# EAGLE board Mk4 Final a Panel score 2x5 (EAGLE 9.0.1), part 21 of 29
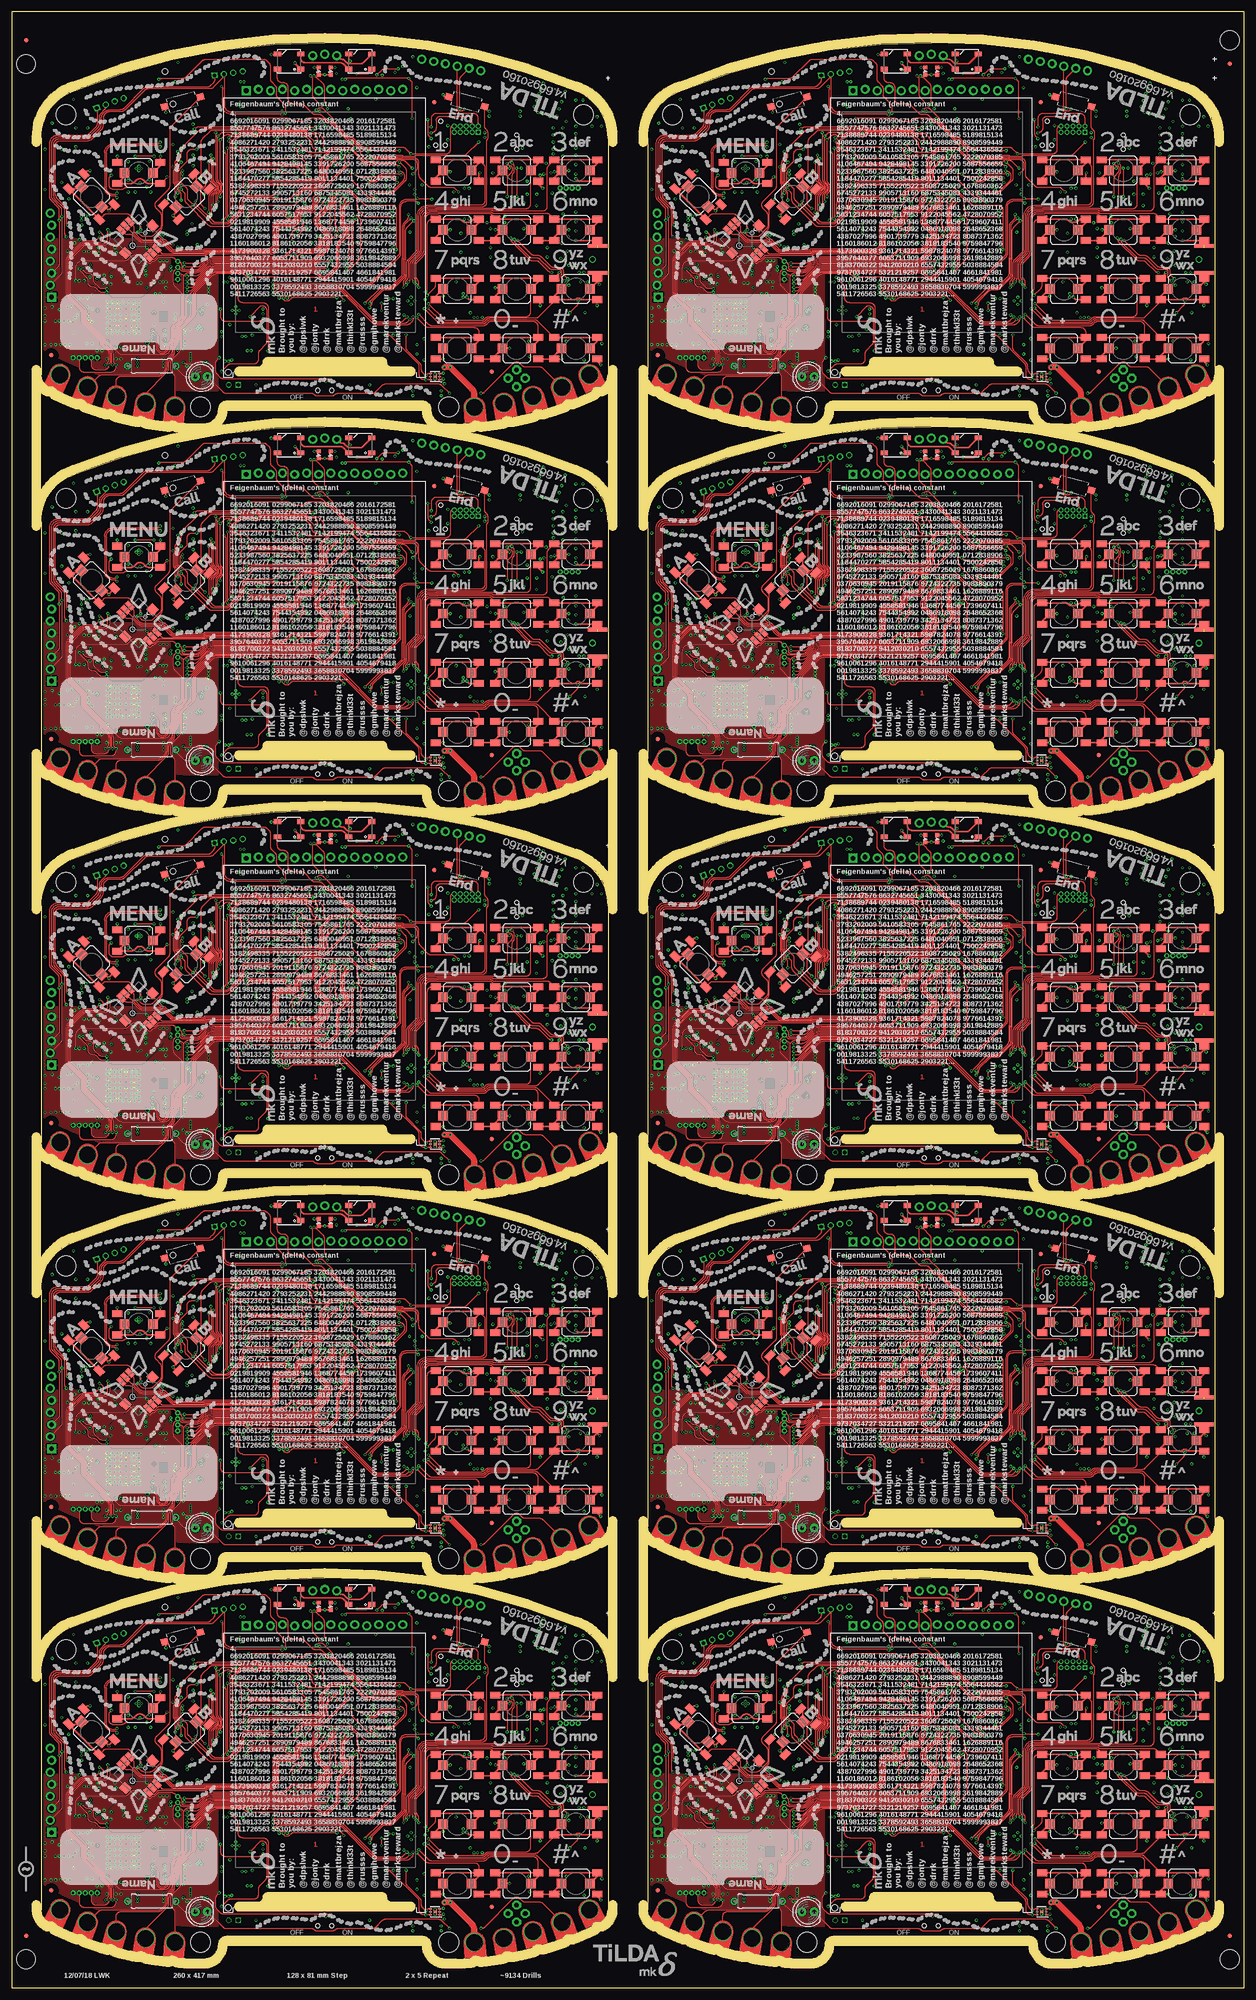
[diagram p0: board, top side]
## Tracks (layer width: path | path; a pad name or v marks a point on that pad's centre or on a via) (continued)
SDRAM_A64  (via drill 0.3) (continued)
  Top 0.15: v35,225.5 35,224.41 arc-45 34.71,223.71 arc45 34.5,223.21 34.5,222.49 34.52,222.47 34.52,222.1 arc-45 34.48,221.98 34.48,221.97 34.35,221.84 arc45 34.2,221.49 34.2,218.91 arc45 34.27,218.73 34.4,218.6 arc-45 34.48,218.42 34.48,216.53 34.5,216.51 v34.5,216 | v47.25,216.75 48.68,218.18 arc45 48.98,218.89 48.98,219.71 arc-45 49.27,220.42 50.46,221.61 arc-45 51.16,221.9 55.94,221.9 arc-45 56.64,221.61 56.96,221.29 arc45 57.66,221 v59.75,221
  Bottom 0.15: IC73.47 v35,225.5 | v34.5,216 36.42,216 arc-45 36.56,215.94 36.6,215.9 IC73.35 42.49,215.9 arc45 43.19,216.19 43.46,216.46 arc-45 44.16,216.75 v47.25,216.75 | IC74.49 59.27,221.2 arc-45 v59.75,221
SDRAM_A65  (via drill 0.3)
  Top 0.15: v171,229.5 v171,229.49 170.97,229.47 170.97,224.27 171.03,224.22 171.03,219.7 arc45 171.32,218.99 171.73,218.58 arc-90 171.73,217.17 171.27,216.71 arc45 170.97,216 170.97,214.52 171.03,214.47 171.03,214.03 171,214.01 v171,213.5 | v186.3,213.5 185.99,213.19 arc-45 185.29,212.9 178.51,212.9 arc-45 177.81,213.19 v177.5,213.5
  Bottom 0.15: IC91.2 172.21,230.3 arc45 171.51,230.01 v171,229.5 | IC92.29 189,214.03 arc90 188.5,214.53 188.12,214.53 | v177.5,213.5 IC91.23 v171,213.5 | 188.12,214.53 | 188.12,214.53 187.68,214.53 arc45 187.08,214.28 v186.3,213.5
SDRAM_A66  (via drill 0.3)
  Top 0.15: v186.3,212.75 arc-45 185.94,212.6 177.86,212.6 arc-45 v177.5,212.75 | v173.75,228.5 174.11,228.14 arc-45 174.4,227.44 174.4,226.13 arc45 174.44,226.03 arc-45 174.5,225.89 v174.5,212.75
  Bottom 0.15: v173.75,228.5 arc-45 174.23,228.7 IC91.4 | IC92.30 188.6,213.97 arc90 188.35,214.22 187.68,214.22 arc45 187.33,214.08 187.21,213.96 arc45 187,213.45 arc-90 v186.3,212.75 | v177.5,212.75 177.07,212.75 arc45 176.95,212.7 IC91.24 175.8,212.7 175.75,212.75 v174.5,212.75
SDRAM_A67  (via drill 0.3)
  Top 0.15: v173.7,227.75 173.73,227.72 arc-45 174.03,227.01 174.03,214.4 173.97,214.35 173.97,212.03 v174,212 | v186.3,212 v186.29,212.01 arc45 185.59,212.3 178.21,212.3 arc45 v177.51,212.01 v177.5,212
  Bottom 0.15: v173.7,227.75 arc-45 174.06,227.9 IC91.5 | v177.5,212 177.08,212 arc45 176.94,211.94 176.9,211.9 IC91.25 175.85,211.9 175.81,211.94 arc45 175.67,212 v174,212 | IC92.31 188.2,211.85 arc-90 187.7,211.35 186.8,211.35 arc-90 186.3,211.85 v186.3,212 v186.3,211.99
SDRAM_A68  (via drill 0.3)
  Top 0.15: v173.5,226.25 173.47,226.22 173.47,211.28 v173.5,211.25 | v177.5,211.25 177.96,211.71 arc-45 178.66,212 185.14,212 arc-45 185.84,211.71 186.02,211.53 arc90 186.73,211.53 v187.2,212
  Bottom 0.15: v177.5,211.25 177,211.25 176.85,211.1 IC91.26 175.9,211.1 175.81,211.19 arc45 175.67,211.25 v173.5,211.25 | v187.2,212 187.3,212 arc90 187.8,212.5 IC92.32 | v173.5,226.25 173.52,226.25 173.57,226.2 174.61,226.2 arc-45 174.75,226.14 174.78,226.11 arc90 175.83,226.11 176.02,226.3 IC91.7
SDRAM_A69  (via drill 0.3)
  Top 0.15: v177.5,225.5 178.58,224.42 arc45 179.29,224.12 188.71,224.12 arc-45 189.42,223.83 v190.25,223 | v172.75,225.5 172.95,225.3 arc-45 173.1,224.94 173.1,211.76 arc-45 172.95,211.4 v172.55,211
  Bottom 0.15: IC92.22 191.8,221.04 arc45 191.51,221.74 v190.25,223 | v172.75,225.5 IC91.8 v177.5,225.5 | IC91.29 165.59,211.1 arc-45 165.69,211.06 arc45 165.83,211 v172.55,211
SDRAM_A70  (via drill 0.3)
  Top 0.15: v170,224.75 169.97,224.72 169.97,223.58 arc45 170.02,223.48 arc-45 170.07,223.34 170.07,219.8 arc45 170.37,219.09 171.24,218.23 arc-90 171.24,217.52 170.27,216.55 arc45 169.97,215.85 169.97,213.4 170.03,213.35 170.03,212.03 v170,212 | v190.25,222 189.54,222.71 arc45 188.84,223 185.67,223 arc-45 185.53,223.06 185.53,223.07 arc45 185.38,223.12 178.79,223.12 arc-45 178.08,223.42 v177.5,224
  Bottom 0.15: v190.25,222 191.11,221.14 arc-45 191.4,220.44 IC92.23 | v170,224.75 170.09,224.75 arc-45 170.79,224.46 170.96,224.29 arc45 171.66,224 175.42,224 arc-45 175.56,223.94 arc45 175.66,223.9 IC91.10 176.82,223.9 arc45 176.96,223.96 arc-45 177.06,224 v177.5,224 | IC91.30 165.59,211.9 arc45 165.69,211.94 arc-45 165.83,212 v170,212
SDRAM_A71  (via drill 0.3)
  Top 0.15: v169.5,223.25 169.5,221.74 169.53,221.72 169.53,219.93 arc45 169.82,219.22 170.99,218.05 arc-90 170.99,217.7 169.79,216.5 arc45 169.5,215.8 v169.5,212.75 | v190.25,221.25 189.09,222.41 arc45 188.39,222.7 185.55,222.7 arc-45 185.41,222.76 185.4,222.77 arc45 185.26,222.82 178.34,222.82 arc-45 177.63,223.12 v177.5,223.25
  Bottom 0.15: v190.25,221.25 190.71,220.79 arc-45 191,220.09 IC92.24 | v169.5,223.25 175.42,223.25 arc-45 175.56,223.19 175.59,223.16 arc45 175.73,223.1 IC91.11 176.77,223.1 arc45 176.91,223.16 176.94,223.19 arc-45 177.08,223.25 v177.5,223.25 | IC91.31 165.7,212.7 arc-45 165.82,212.75 v169.5,212.75
SDRAM_A72  (via drill 0.3)
  Top 0.15: v190.3,220.3 188.49,222.11 arc45 187.79,222.4 185.43,222.4 arc-45 185.28,222.46 185.28,222.47 arc45 185.13,222.53 178.94,222.53 arc45 178.23,222.23 v177.5,221.5 | v169,221.5 169,218.83 arc-45 168.71,218.12 168.14,217.56 arc45 167.85,216.85 167.85,214.81 arc45 168.14,214.11 v168.75,213.5
  Bottom 0.15: v177.5,221.5 IC91.13 v169,221.5 | IC91.32 v168.75,213.5 | IC92.25 190.6,215.26 190.62,215.28 190.62,219.56 arc45 190.33,220.27 v190.3,220.3
SDRAM_A73  (via drill 0.3)
  Top 0.15: v183.75,216.1 v183.74,216.09 arc-45 183.04,215.8 177.75,215.8 arc90 176.5,214.55 176.5,213.5 arc-45 176.21,212.79 173.88,210.47 arc-45 173.18,210.18 170.74,210.18 arc-45 170.03,210.47 v166.25,214.25 165.29,215.21 arc-45 165,215.91 165,217.33 arc45 164.71,218.03 163.47,219.27 arc-45 163.4,219.45 163.4,220.69 arc-45 163.55,221.05 v164,221.5
  Bottom 0.15: IC91.42 v164,221.5 | IC91.33 165.7,214.3 arc45 165.82,214.25 v166.25,214.25 | IC92.40 185.66,217.6 arc45 184.96,217.31 v183.75,216.1
SDRAM_A74  (via drill 0.3)
  Top 0.15: v163.75,215.25 163.75,216.34 arc45 163.46,217.05 163.38,217.12 arc-45 163.16,217.65 163.16,218.58 arc45 163.09,218.76 162.87,218.98 arc-45 162.8,219.16 162.8,221.24 arc-45 162.95,221.59 163.02,221.67 arc45 163.16,222.02 163.16,222.25 arc-45 163.46,222.96 v163.75,223.25 | v184.65,217.75 183.32,216.42 arc-45 182.61,216.12 177.5,216.12 arc90 176,214.62 176,213.42 arc-45 175.71,212.72 173.76,210.77 arc-45 173.05,210.47 171.2,210.47 arc-45 170.49,210.77 167.04,214.22 arc-45 166.75,214.92 v166.75,215
  Bottom 0.15: IC91.44 164.65,223.1 164.65,223.1 arc45 164.29,223.25 v163.75,223.25 | v163.75,215.25 164.29,215.25 arc-45 164.65,215.1 IC91.34 166.51,215.1 arc-45 v166.75,215 | IC92.41 185.25,218 arc45 v184.65,217.75
SDRAM_A75  (via drill 0.3)
  Top 0.15: v177.5,214.25 177.57,214.18 187.35,214.18 arc45 188.06,214.47 188.9,215.31 arc45 189.05,215.66 v189.05,215.8 | v170.5,214.25 170.5,215.95 arc-45 170.79,216.65 171.48,217.34 arc90 171.48,218.4 170.79,219.09 arc-45 170.5,219.8 v170.5,224
  Bottom 0.15: IC91.45 165.82,223.9 arc45 165.96,223.96 arc-45 166.06,224 v170.5,224 | v177.5,214.25 177,214.25 176.95,214.3 IC91.22 175.8,214.3 arc-45 175.68,214.25 v170.5,214.25 | IC92.50 187.54,221.6 arc-45 188.24,221.31 188.76,220.79 arc-45 189.05,220.09 v189.05,215.8
SDRAM_A76  (via drill 0.3)
  Top 0.15: v163,216.75 163,217.08 162.86,217.22 162.86,218.46 arc45 162.79,218.64 162.57,218.85 arc-45 162.5,219.03 162.5,221.37 arc-45 162.65,221.72 162.72,221.79 arc45 162.86,222.14 162.86,222.95 arc-45 163.16,223.66 163.46,223.96 arc45 163.75,224.66 v163.75,226.25 167.53,230.03 arc-45 168.24,230.32 178.73,230.32 178.79,230.38 arc-90 180.21,230.38 180.42,230.18 190.97,230.18 arc-45 v191.47,229.97
  Bottom 0.15: IC91.48 164.55,226.3 164.5,226.25 v163.75,226.25 | IC91.36 164.55,216.7 164.5,216.75 v163,216.75 | v191.47,229.97 191.8,229.64 IC92.75
SDRAM_A77  (via drill 0.3)
  Top 0.15: v163,225.5 163,224.41 arc-45 162.71,223.71 arc45 162.5,223.21 162.5,222.49 162.53,222.47 162.53,222.1 arc-45 162.47,221.98 162.47,221.97 162.35,221.84 arc45 162.2,221.49 162.2,218.91 arc45 162.27,218.73 162.4,218.6 arc-45 162.47,218.42 162.47,216.53 162.5,216.51 v162.5,216 | v175.25,216.75 176.68,218.18 arc45 176.97,218.89 176.97,219.71 arc-45 177.27,220.42 178.46,221.61 arc-45 179.16,221.9 183.94,221.9 arc-45 184.64,221.61 184.96,221.29 arc45 185.66,221 v187.75,221
  Bottom 0.15: IC91.47 v163,225.5 | v162.5,216 164.42,216 arc-45 164.56,215.94 164.6,215.9 IC91.35 170.49,215.9 arc45 171.19,216.19 171.46,216.46 arc-45 172.16,216.75 v175.25,216.75 | IC92.49 187.27,221.2 arc-45 v187.75,221
SDRAM_A78  (via drill 0.3)
  Top 0.15: v43,310.5 v43,310.49 42.98,310.47 42.98,305.27 43.02,305.22 43.02,300.7 arc45 43.32,299.99 43.73,299.58 arc-90 43.73,298.17 43.27,297.7 arc45 42.98,297 42.98,295.52 43.02,295.47 43.02,295.03 43,295.01 v43,294.5 | v58.3,294.5 57.99,294.19 arc-45 57.29,293.9 50.51,293.9 arc-45 49.81,294.19 v49.5,294.5
  Bottom 0.15: IC109.2 44.21,311.3 arc45 43.51,311.01 v43,310.5 | IC110.29 61,295.02 arc90 60.5,295.52 60.12,295.52 | v49.5,294.5 IC109.23 v43,294.5 | 60.12,295.52 | 60.12,295.52 59.68,295.52 arc45 59.08,295.28 v58.3,294.5
SDRAM_A79  (via drill 0.3)
  Top 0.15: v58.3,293.75 arc-45 57.94,293.6 49.86,293.6 arc-45 v49.5,293.75 | v45.75,309.5 46.11,309.14 arc-45 46.4,308.44 46.4,307.13 arc45 46.44,307.03 arc-45 46.5,306.89 v46.5,293.75
  Bottom 0.15: v45.75,309.5 arc-45 46.23,309.7 IC109.4 | IC110.30 60.6,294.98 arc90 60.35,295.23 59.68,295.23 arc45 59.33,295.08 59.21,294.96 arc45 59,294.45 arc-90 v58.3,293.75 | v49.5,293.75 49.07,293.75 arc45 48.95,293.7 IC109.24 47.8,293.7 47.75,293.75 v46.5,293.75
SDRAM_A80  (via drill 0.3)
  Top 0.15: v45.7,308.75 45.73,308.72 arc-45 46.02,308.01 46.02,295.4 45.98,295.35 45.98,293.02 v46,293 | v58.3,293 v58.29,293.01 arc45 57.59,293.3 50.21,293.3 arc45 v49.51,293.01 v49.5,293
  Bottom 0.15: v45.7,308.75 arc-45 46.06,308.9 IC109.5 | v49.5,293 49.08,293 arc45 48.94,292.94 48.9,292.9 IC109.25 47.85,292.9 47.81,292.94 arc45 47.67,293 v46,293 | IC110.31 60.2,292.85 arc-90 59.7,292.35 58.8,292.35 arc-90 58.3,292.85 v58.3,293 v58.3,292.99
SDRAM_A81  (via drill 0.3)
  Top 0.15: v45.5,307.25 45.48,307.23 45.48,292.27 v45.5,292.25 | v49.5,292.25 49.96,292.71 arc-45 50.66,293 57.14,293 arc-45 57.84,292.71 58.02,292.53 arc90 58.73,292.53 v59.2,293
  Bottom 0.15: v49.5,292.25 49,292.25 48.85,292.1 IC109.26 47.9,292.1 47.81,292.19 arc45 47.67,292.25 v45.5,292.25 | v59.2,293 59.3,293 arc90 59.8,293.5 IC110.32 | v45.5,307.25 45.52,307.25 45.57,307.2 46.61,307.2 arc-45 46.75,307.14 46.77,307.11 arc90 47.84,307.11 48.02,307.3 IC109.7
SDRAM_A82  (via drill 0.3)
  Top 0.15: v49.5,306.5 50.58,305.42 arc45 51.29,305.12 60.71,305.12 arc-45 61.42,304.83 v62.25,304 | v44.75,306.5 44.95,306.3 arc-45 45.1,305.94 45.1,292.76 arc-45 44.95,292.4 v44.55,292
  Bottom 0.15: IC110.22 63.8,302.04 arc45 63.51,302.74 v62.25,304 | v44.75,306.5 IC109.8 v49.5,306.5 | IC109.29 37.59,292.1 arc-45 37.69,292.06 arc45 37.83,292 v44.55,292
SDRAM_A83  (via drill 0.3)
  Top 0.15: v42,305.75 41.98,305.73 41.98,304.58 arc45 42.02,304.48 arc-45 42.08,304.33 42.08,300.8 arc45 42.37,300.09 43.23,299.23 arc-90 43.23,298.52 42.27,297.55 arc45 41.98,296.85 41.98,294.4 42.02,294.35 42.02,293.02 v42,293 | v62.25,303 61.54,303.71 arc45 60.84,304 57.67,304 arc-45 57.53,304.06 57.52,304.07 arc45 57.38,304.12 50.79,304.12 arc-45 50.08,304.42 v49.5,305
  Bottom 0.15: v62.25,303 63.11,302.14 arc-45 63.4,301.44 IC110.23 | v42,305.75 42.09,305.75 arc-45 42.79,305.46 42.96,305.29 arc45 43.66,305 47.42,305 arc-45 47.56,304.94 arc45 47.66,304.9 IC109.10 48.82,304.9 arc45 48.96,304.96 arc-45 49.06,305 v49.5,305 | IC109.30 37.59,292.9 arc45 37.69,292.94 arc-45 37.83,293 v42,293
SDRAM_A84  (via drill 0.3)
  Top 0.15: v41.5,304.25 41.5,302.74 41.52,302.72 41.52,300.93 arc45 41.82,300.22 42.99,299.05 arc-90 42.99,298.7 41.79,297.5 arc45 41.5,296.8 v41.5,293.75 | v62.25,302.25 61.09,303.41 arc45 60.39,303.7 57.55,303.7 arc-45 57.41,303.76 57.4,303.77 arc45 57.26,303.82 50.34,303.82 arc-45 49.63,304.12 v49.5,304.25
  Bottom 0.15: v62.25,302.25 62.71,301.79 arc-45 63,301.09 IC110.24 | v41.5,304.25 47.42,304.25 arc-45 47.56,304.19 47.59,304.16 arc45 47.73,304.1 IC109.11 48.77,304.1 arc45 48.91,304.16 48.94,304.19 arc-45 49.08,304.25 v49.5,304.25 | IC109.31 37.7,293.7 arc-45 37.82,293.75 v41.5,293.75
SDRAM_A85  (via drill 0.3)
  Top 0.15: v62.3,301.3 60.49,303.11 arc45 59.79,303.4 57.42,303.4 arc-45 57.28,303.46 57.28,303.47 arc45 57.13,303.52 50.94,303.52 arc45 50.23,303.23 v49.5,302.5 | v41,302.5 41,299.83 arc-45 40.71,299.12 40.14,298.56 arc45 39.85,297.85 39.85,295.81 arc45 40.14,295.11 v40.75,294.5
  Bottom 0.15: v49.5,302.5 IC109.13 v41,302.5 | IC109.32 v40.75,294.5 | IC110.25 62.6,296.26 62.62,296.28 62.62,300.56 arc45 62.33,301.27 v62.3,301.3
SDRAM_A86  (via drill 0.3)
  Top 0.15: v55.75,297.1 v55.74,297.09 arc-45 55.04,296.8 49.75,296.8 arc90 48.5,295.55 48.5,294.5 arc-45 48.21,293.79 45.89,291.47 arc-45 45.18,291.18 42.74,291.18 arc-45 42.03,291.47 v38.25,295.25 37.29,296.21 arc-45 37,296.91 37,298.33 arc45 36.71,299.04 35.47,300.27 arc-45 35.4,300.45 35.4,301.69 arc-45 35.55,302.05 v36,302.5
  Bottom 0.15: IC109.42 v36,302.5 | IC109.33 37.7,295.3 arc45 37.82,295.25 v38.25,295.25 | IC110.40 57.66,298.6 arc45 56.96,298.31 v55.75,297.1
SDRAM_A87  (via drill 0.3)
  Top 0.15: v35.75,296.25 35.75,297.34 arc45 35.46,298.05 35.38,298.12 arc-45 35.16,298.65 35.16,299.58 arc45 35.09,299.76 34.87,299.98 arc-45 34.8,300.15 34.8,302.24 arc-45 34.95,302.6 35.02,302.67 arc45 35.16,303.02 35.16,303.25 arc-45 35.46,303.96 v35.75,304.25 | v56.65,298.75 55.32,297.42 arc-45 54.61,297.12 49.5,297.12 arc90 48,295.62 48,294.42 arc-45 47.71,293.71 45.76,291.77 arc-45 45.05,291.48 43.2,291.48 arc-45 42.49,291.77 39.04,295.21 arc-45 38.75,295.92 v38.75,296
  Bottom 0.15: IC109.44 36.65,304.1 36.65,304.1 arc45 36.29,304.25 v35.75,304.25 | v35.75,296.25 36.29,296.25 arc-45 36.65,296.1 IC109.34 38.51,296.1 arc-45 v38.75,296 | IC110.41 57.25,299 arc45 v56.65,298.75
SDRAM_A88  (via drill 0.3)
  Top 0.15: v49.5,295.25 49.58,295.18 59.35,295.18 arc45 60.06,295.47 60.9,296.31 arc45 61.05,296.67 v61.05,296.8 | v42.5,295.25 42.5,296.95 arc-45 42.79,297.65 43.48,298.34 arc90 43.48,299.4 42.79,300.09 arc-45 42.5,300.8 v42.5,305
  Bottom 0.15: IC109.45 37.82,304.9 arc45 37.96,304.96 arc-45 38.06,305 v42.5,305 | v49.5,295.25 49,295.25 48.95,295.3 IC109.22 47.8,295.3 arc-45 47.68,295.25 v42.5,295.25 | IC110.50 59.54,302.6 arc-45 60.24,302.31 60.76,301.79 arc-45 61.05,301.09 v61.05,296.8
SDRAM_A89  (via drill 0.3)
  Top 0.15: v35,297.75 35,298.08 34.86,298.22 34.86,299.46 arc45 34.79,299.64 34.57,299.85 arc-45 34.5,300.03 34.5,302.37 arc-45 34.65,302.72 34.72,302.79 arc45 34.86,303.14 34.86,303.95 arc-45 35.16,304.66 35.46,304.96 arc45 35.75,305.66 v35.75,307.25 39.53,311.03 arc-45 40.24,311.32 50.73,311.32 50.79,311.38 arc-90 52.21,311.38 52.42,311.18 62.97,311.18 arc-45 v63.47,310.97
  Bottom 0.15: IC109.48 36.55,307.3 36.5,307.25 v35.75,307.25 | IC109.36 36.55,297.7 36.5,297.75 v35,297.75 | v63.47,310.97 63.8,310.64 IC110.75
SDRAM_A90  (via drill 0.3)
  Top 0.15: v35,306.5 35,305.41 arc-45 34.71,304.71 arc45 34.5,304.21 34.5,303.49 34.52,303.47 34.52,303.1 arc-45 34.48,302.98 34.48,302.97 34.35,302.84 arc45 34.2,302.49 34.2,299.91 arc45 34.27,299.73 34.4,299.6 arc-45 34.48,299.42 34.48,297.53 34.5,297.51 v34.5,297 | v47.25,297.75 48.68,299.18 arc45 48.98,299.89 48.98,300.71 arc-45 49.27,301.42 50.46,302.61 arc-45 51.16,302.9 55.94,302.9 arc-45 56.64,302.61 56.96,302.29 arc45 57.66,302 v59.75,302
  Bottom 0.15: IC109.47 v35,306.5 | v34.5,297 36.42,297 arc-45 36.56,296.94 36.6,296.9 IC109.35 42.49,296.9 arc45 43.19,297.19 43.46,297.46 arc-45 44.16,297.75 v47.25,297.75 | IC110.49 59.27,302.2 arc-45 v59.75,302
SDRAM_A91  (via drill 0.3)
  Top 0.15: v171,310.5 v171,310.49 170.97,310.47 170.97,305.27 171.03,305.22 171.03,300.7 arc45 171.32,299.99 171.73,299.58 arc-90 171.73,298.17 171.27,297.7 arc45 170.97,297 170.97,295.52 171.03,295.47 171.03,295.03 171,295.01 v171,294.5 | v186.3,294.5 185.99,294.19 arc-45 185.29,293.9 178.51,293.9 arc-45 177.81,294.19 v177.5,294.5
  Bottom 0.15: IC127.2 172.21,311.3 arc45 171.51,311.01 v171,310.5 | IC128.29 189,295.02 arc90 188.5,295.52 188.12,295.52 | v177.5,294.5 IC127.23 v171,294.5 | 188.12,295.52 | 188.12,295.52 187.68,295.52 arc45 187.08,295.28 v186.3,294.5
SDRAM_A92  (via drill 0.3)
  Top 0.15: v186.3,293.75 arc-45 185.94,293.6 177.86,293.6 arc-45 v177.5,293.75 | v173.75,309.5 174.11,309.14 arc-45 174.4,308.44 174.4,307.13 arc45 174.44,307.03 arc-45 174.5,306.89 v174.5,293.75
  Bottom 0.15: v173.75,309.5 arc-45 174.23,309.7 IC127.4 | IC128.30 188.6,294.98 arc90 188.35,295.23 187.68,295.23 arc45 187.33,295.08 187.21,294.96 arc45 187,294.45 arc-90 v186.3,293.75 | v177.5,293.75 177.07,293.75 arc45 176.95,293.7 IC127.24 175.8,293.7 175.75,293.75 v174.5,293.75
SDRAM_A93  (via drill 0.3)
  Top 0.15: v173.7,308.75 173.73,308.72 arc-45 174.03,308.01 174.03,295.4 173.97,295.35 173.97,293.02 v174,293 | v186.3,293 v186.29,293.01 arc45 185.59,293.3 178.21,293.3 arc45 v177.51,293.01 v177.5,293
  Bottom 0.15: v173.7,308.75 arc-45 174.06,308.9 IC127.5 | v177.5,293 177.08,293 arc45 176.94,292.94 176.9,292.9 IC127.25 175.85,292.9 175.81,292.94 arc45 175.67,293 v174,293 | IC128.31 188.2,292.85 arc-90 187.7,292.35 186.8,292.35 arc-90 186.3,292.85 v186.3,293 v186.3,292.99
SDRAM_A94  (via drill 0.3)
  Top 0.15: v173.5,307.25 173.47,307.23 173.47,292.27 v173.5,292.25 | v177.5,292.25 177.96,292.71 arc-45 178.66,293 185.14,293 arc-45 185.84,292.71 186.02,292.53 arc90 186.73,292.53 v187.2,293
  Bottom 0.15: v177.5,292.25 177,292.25 176.85,292.1 IC127.26 175.9,292.1 175.81,292.19 arc45 175.67,292.25 v173.5,292.25 | v187.2,293 187.3,293 arc90 187.8,293.5 IC128.32 | v173.5,307.25 173.52,307.25 173.57,307.2 174.61,307.2 arc-45 174.75,307.14 174.78,307.11 arc90 175.83,307.11 176.02,307.3 IC127.7
SDRAM_A95  (via drill 0.3)
  Top 0.15: v177.5,306.5 178.58,305.42 arc45 179.29,305.12 188.71,305.12 arc-45 189.42,304.83 v190.25,304 | v172.75,306.5 172.95,306.3 arc-45 173.1,305.94 173.1,292.76 arc-45 172.95,292.4 v172.55,292
  Bottom 0.15: IC128.22 191.8,302.04 arc45 191.51,302.74 v190.25,304 | v172.75,306.5 IC127.8 v177.5,306.5 | IC127.29 165.59,292.1 arc-45 165.69,292.06 arc45 165.83,292 v172.55,292
SDRAM_A96  (via drill 0.3)
  Top 0.15: v170,305.75 169.97,305.73 169.97,304.58 arc45 170.02,304.48 arc-45 170.07,304.33 170.07,300.8 arc45 170.37,300.09 171.24,299.23 arc-90 171.24,298.52 170.27,297.55 arc45 169.97,296.85 169.97,294.4 170.03,294.35 170.03,293.02 v170,293 | v190.25,303 189.54,303.71 arc45 188.84,304 185.67,304 arc-45 185.53,304.06 185.53,304.07 arc45 185.38,304.12 178.79,304.12 arc-45 178.08,304.42 v177.5,305
  Bottom 0.15: v190.25,303 191.11,302.14 arc-45 191.4,301.44 IC128.23 | v170,305.75 170.09,305.75 arc-45 170.79,305.46 170.96,305.29 arc45 171.66,305 175.42,305 arc-45 175.56,304.94 arc45 175.66,304.9 IC127.10 176.82,304.9 arc45 176.96,304.96 arc-45 177.06,305 v177.5,305 | IC127.30 165.59,292.9 arc45 165.69,292.94 arc-45 165.83,293 v170,293
SDRAM_A97  (via drill 0.3)
  Top 0.15: v169.5,304.25 169.5,302.74 169.53,302.72 169.53,300.93 arc45 169.82,300.22 170.99,299.05 arc-90 170.99,298.7 169.79,297.5 arc45 169.5,296.8 v169.5,293.75 | v190.25,302.25 189.09,303.41 arc45 188.39,303.7 185.55,303.7 arc-45 185.41,303.76 185.4,303.77 arc45 185.26,303.82 178.34,303.82 arc-45 177.63,304.12 v177.5,304.25
  Bottom 0.15: v190.25,302.25 190.71,301.79 arc-45 191,301.09 IC128.24 | v169.5,304.25 175.42,304.25 arc-45 175.56,304.19 175.59,304.16 arc45 175.73,304.1 IC127.11 176.77,304.1 arc45 176.91,304.16 176.94,304.19 arc-45 177.08,304.25 v177.5,304.25 | IC127.31 165.7,293.7 arc-45 165.82,293.75 v169.5,293.75
SDRAM_A98  (via drill 0.3)
  Top 0.15: v190.3,301.3 188.49,303.11 arc45 187.79,303.4 185.43,303.4 arc-45 185.28,303.46 185.28,303.47 arc45 185.13,303.52 178.94,303.52 arc45 178.23,303.23 v177.5,302.5 | v169,302.5 169,299.83 arc-45 168.71,299.12 168.14,298.56 arc45 167.85,297.85 167.85,295.81 arc45 168.14,295.11 v168.75,294.5
  Bottom 0.15: v177.5,302.5 IC127.13 v169,302.5 | IC127.32 v168.75,294.5 | IC128.25 190.6,296.26 190.62,296.28 190.62,300.56 arc45 190.33,301.27 v190.3,301.3
SDRAM_A99  (via drill 0.3)
  Top 0.15: v183.75,297.1 v183.74,297.09 arc-45 183.04,296.8 177.75,296.8 arc90 176.5,295.55 176.5,294.5 arc-45 176.21,293.79 173.88,291.47 arc-45 173.18,291.18 170.74,291.18 arc-45 170.03,291.47 v166.25,295.25 165.29,296.21 arc-45 165,296.91 165,298.33 arc45 164.71,299.04 163.47,300.27 arc-45 163.4,300.45 163.4,301.69 arc-45 163.55,302.05 v164,302.5
  Bottom 0.15: IC127.42 v164,302.5 | IC127.33 165.7,295.3 arc45 165.82,295.25 v166.25,295.25 | IC128.40 185.66,298.6 arc45 184.96,298.31 v183.75,297.1
SDRAM_A100  (via drill 0.3)
  Top 0.15: v163.75,296.25 163.75,297.34 arc45 163.46,298.05 163.38,298.12 arc-45 163.16,298.65 163.16,299.58 arc45 163.09,299.76 162.87,299.98 arc-45 162.8,300.15 162.8,302.24 arc-45 162.95,302.6 163.02,302.67 arc45 163.16,303.02 163.16,303.25 arc-45 163.46,303.96 v163.75,304.25 | v184.65,298.75 183.32,297.42 arc-45 182.61,297.12 177.5,297.12 arc90 176,295.62 176,294.42 arc-45 175.71,293.71 173.76,291.77 arc-45 173.05,291.48 171.2,291.48 arc-45 170.49,291.77 167.04,295.21 arc-45 166.75,295.92 v166.75,296
  Bottom 0.15: IC127.44 164.65,304.1 164.65,304.1 arc45 164.29,304.25 v163.75,304.25 | v163.75,296.25 164.29,296.25 arc-45 164.65,296.1 IC127.34 166.51,296.1 arc-45 v166.75,296 | IC128.41 185.25,299 arc45 v184.65,298.75
SDRAM_A101  (via drill 0.3)
  Top 0.15: v177.5,295.25 177.57,295.18 187.35,295.18 arc45 188.06,295.47 188.9,296.31 arc45 189.05,296.67 v189.05,296.8 | v170.5,295.25 170.5,296.95 arc-45 170.79,297.65 171.48,298.34 arc90 171.48,299.4 170.79,300.09 arc-45 170.5,300.8 v170.5,305
  Bottom 0.15: IC127.45 165.82,304.9 arc45 165.96,304.96 arc-45 166.06,305 v170.5,305 | v177.5,295.25 177,295.25 176.95,295.3 IC127.22 175.8,295.3 arc-45 175.68,295.25 v170.5,295.25 | IC128.50 187.54,302.6 arc-45 188.24,302.31 188.76,301.79 arc-45 189.05,301.09 v189.05,296.8
SDRAM_A102  (via drill 0.3)
  Top 0.15: v163,297.75 163,298.08 162.86,298.22 162.86,299.46 arc45 162.79,299.64 162.57,299.85 arc-45 162.5,300.03 162.5,302.37 arc-45 162.65,302.72 162.72,302.79 arc45 162.86,303.14 162.86,303.95 arc-45 163.16,304.66 163.46,304.96 arc45 163.75,305.66 v163.75,307.25 167.53,311.03 arc-45 168.24,311.32 178.73,311.32 178.79,311.38 arc-90 180.21,311.38 180.42,311.18 190.97,311.18 arc-45 v191.47,310.97
  Bottom 0.15: IC127.48 164.55,307.3 164.5,307.25 v163.75,307.25 | IC127.36 164.55,297.7 164.5,297.75 v163,297.75 | v191.47,310.97 191.8,310.64 IC128.75
SDRAM_A103  (via drill 0.3)
  Top 0.15: v163,306.5 163,305.41 arc-45 162.71,304.71 arc45 162.5,304.21 162.5,303.49 162.53,303.47 162.53,303.1 arc-45 162.47,302.98 162.47,302.97 162.35,302.84 arc45 162.2,302.49 162.2,299.91 arc45 162.27,299.73 162.4,299.6 arc-45 162.47,299.42 162.47,297.53 162.5,297.51 v162.5,297 | v175.25,297.75 176.68,299.18 arc45 176.97,299.89 176.97,300.71 arc-45 177.27,301.42 178.46,302.61 arc-45 179.16,302.9 183.94,302.9 arc-45 184.64,302.61 184.96,302.29 arc45 185.66,302 v187.75,302
  Bottom 0.15: IC127.47 v163,306.5 | v162.5,297 164.42,297 arc-45 164.56,296.94 164.6,296.9 IC127.35 170.49,296.9 arc45 171.19,297.19 171.46,297.46 arc-45 172.16,297.75 v175.25,297.75 | IC128.49 187.27,302.2 arc-45 v187.75,302
SDRAM_A104  (via drill 0.3)
  Top 0.15: v43,391.5 v43,391.49 42.98,391.47 42.98,386.27 43.02,386.22 43.02,381.7 arc45 43.32,380.99 43.73,380.58 arc-90 43.73,379.17 43.27,378.7 arc45 42.98,378 42.98,376.52 43.02,376.47 43.02,376.03 43,376.01 v43,375.5 | v58.3,375.5 57.99,375.19 arc-45 57.29,374.9 50.51,374.9 arc-45 49.81,375.19 v49.5,375.5
  Bottom 0.15: IC145.2 44.21,392.3 arc45 43.51,392.01 v43,391.5 | IC146.29 61,376.02 arc90 60.5,376.52 60.12,376.52 | v49.5,375.5 IC145.23 v43,375.5 | 60.12,376.52 | 60.12,376.52 59.68,376.52 arc45 59.08,376.28 v58.3,375.5
SDRAM_A105  (via drill 0.3)
  Top 0.15: v58.3,374.75 arc-45 57.94,374.6 49.86,374.6 arc-45 v49.5,374.75 | v45.75,390.5 46.11,390.14 arc-45 46.4,389.44 46.4,388.13 arc45 46.44,388.03 arc-45 46.5,387.89 v46.5,374.75
  Bottom 0.15: v45.75,390.5 arc-45 46.23,390.7 IC145.4 | IC146.30 60.6,375.98 arc90 60.35,376.23 59.68,376.23 arc45 59.33,376.08 59.21,375.96 arc45 59,375.45 arc-90 v58.3,374.75 | v49.5,374.75 49.07,374.75 arc45 48.95,374.7 IC145.24 47.8,374.7 47.75,374.75 v46.5,374.75
SDRAM_A106  (via drill 0.3)
  Top 0.15: v45.7,389.75 45.73,389.72 arc-45 46.02,389.01 46.02,376.4 45.98,376.35 45.98,374.02 v46,374 | v58.3,374 v58.29,374.01 arc45 57.59,374.3 50.21,374.3 arc45 v49.51,374.01 v49.5,374
  Bottom 0.15: v45.7,389.75 arc-45 46.06,389.9 IC145.5 | v49.5,374 49.08,374 arc45 48.94,373.94 48.9,373.9 IC145.25 47.85,373.9 47.81,373.94 arc45 47.67,374 v46,374 | IC146.31 60.2,373.85 arc-90 59.7,373.35 58.8,373.35 arc-90 58.3,373.85 v58.3,374 v58.3,373.99
SDRAM_A107  (via drill 0.3)
  Top 0.15: v45.5,388.25 45.48,388.23 45.48,373.27 v45.5,373.25 | v49.5,373.25 49.96,373.71 arc-45 50.66,374 57.14,374 arc-45 57.84,373.71 58.02,373.53 arc90 58.73,373.53 v59.2,374